# Allegro board DPU_PoE_A1_Sep27.brd (continued)
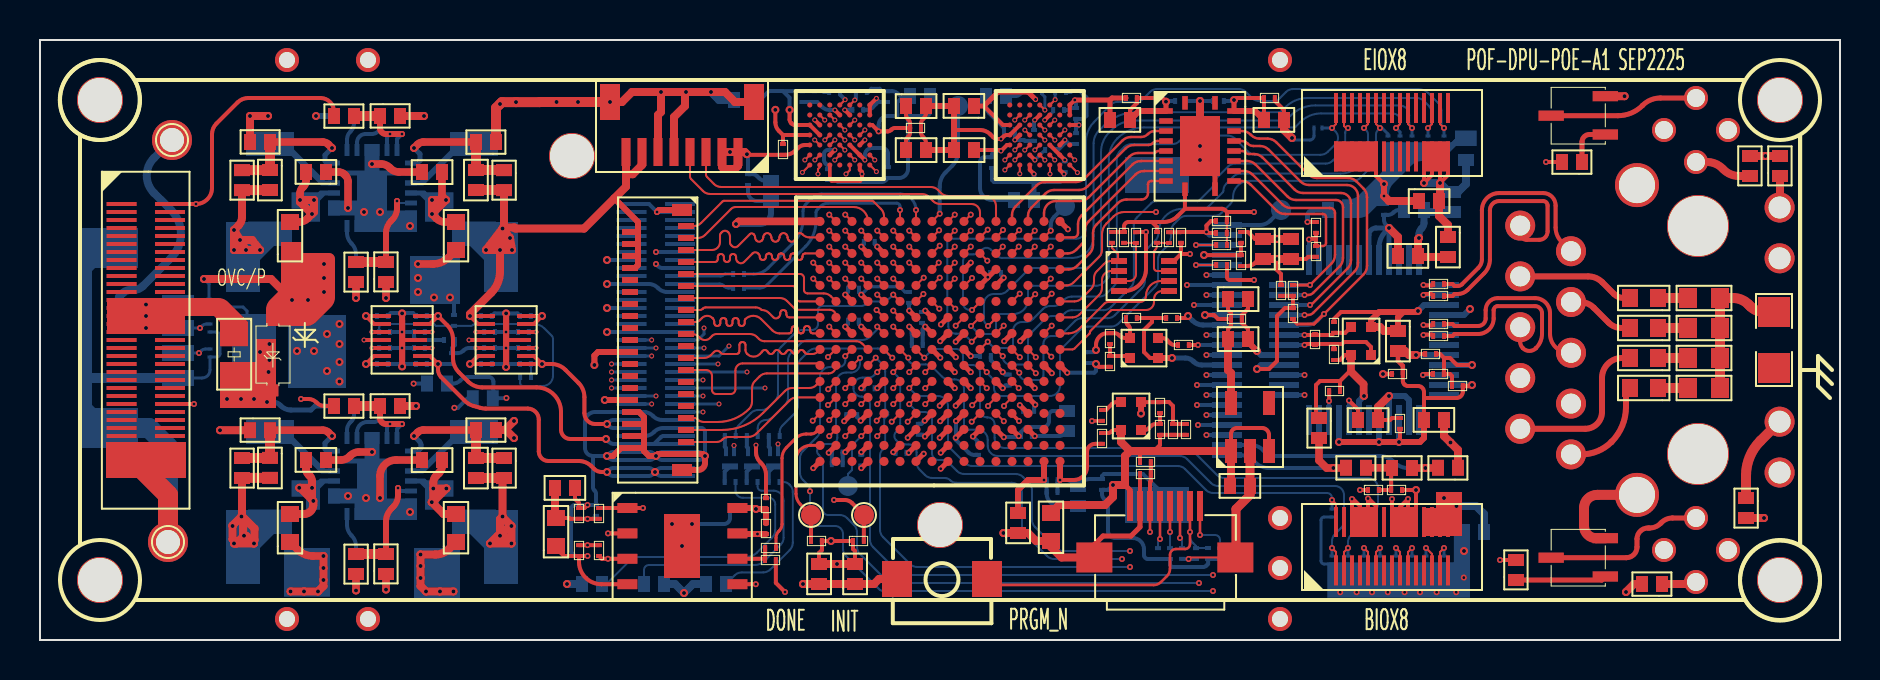
[diagram p0: board, top side]
## Routing (per net, layer and track width the routed paths; a pad name or vN(x,y) marks a point on that pad's centre or on a via; arc(x,y) is an arc through that point) (continued)
EIO-8: length 32.8
  TOP w0.102: 68.4,26.7 J2.20 68.4,25.8 v1(68.6,25.6) ; v1(47.4,15.7) 47.8,16.1 U7.K5
  BOTTOM w0.102: v1(47.4,15.7) 47.29,15.81 arc(47.22,15.91) 47.2,16.03 47.2,16.81 arc(47.34,17.16) 47.69,17.3 47.99,17.3 arc(48.18,17.34) 48.35,17.45 49.35,18.45 arc(49.52,18.56) 49.71,18.6 52.17,18.6 arc(52.36,18.64) 52.53,18.75 53.02,19.24 arc(53.04,19.27) 53.05,19.31 53.05,24.39 arc(53.16,24.93) 53.46,25.38 53.59,25.51 arc(54.1,25.85) 54.71,25.97 62.24,25.97 arc(62.28,25.98) 62.31,26 62.52,26.21 arc(63.1,26.6) 63.77,26.73 67.98,26.73 arc(68.32,26.59) 68.46,26.25 68.46,25.83 arc(68.48,25.75) 68.52,25.68 v1(68.6,25.6)
  BOTTOM w0.15: D4.2 v1(68.6,25.6)
EN_ME1: length 4.7
  TOP w0.3: v1(18.1,10.8) v1(17.5,10.8) 17.3,10.8 arc(17.09,10.89) 17,11.1 R35.1
  TOP w0.5: R36.1 R35.1
  BOTTOM w0.2: v1(17.5,10.8) 17.35,10.65 U14.5 ; v1(18.1,10.8) 17.85,10.55 U14.6
EN_ME2: length 4.9
  TOP w0.3: R1.1 17,25.6 arc(17.09,25.39) 17.3,25.3 v1(17.5,25.3) v1(18.1,25.3)
  TOP w0.5: R1.1 R2.1
  BOTTOM w0.2: U11.6 17.85,25.05 v1(18.1,25.3) ; U11.5 17.35,25.15 v1(17.5,25.3)
ETH_CSN: length 18.8
  TOP w0.12: U3.17 60.1,25.45 arc(60.33,25.4) 60.53,25.27 60.56,25.24 arc(60.75,25.11) 60.98,25.07 61.38,25.07 arc(61.61,25.02) 61.81,24.89 63.42,23.28 arc(63.62,23.15) 63.85,23.1 65.4,23.1 arc(65.63,23.05) 65.83,22.92 66.17,22.58 arc(66.3,22.38) 66.35,22.15 66.35,18.7 arc(66.3,18.47) 66.17,18.27 v1(64.2,16.3)
  TOP w0.15: v1(64.2,16.3) 63.7,15.8 62.85,15.8 62.65,16 R24.1
  BOTTOM w0.2: v1(64.2,16.3) 63.87,15.97 arc(63.63,15.81) 63.34,15.75 U12.32
ETH_INT: length 12.1
  TOP w0.12: v1(63.5,17.75) 64.57,18.82 arc(64.7,19.02) 64.75,19.25 64.75,21.35 arc(64.68,21.53) 64.5,21.6 62.55,21.6 arc(62.32,21.65) 62.12,21.78 60.63,23.27 arc(60.43,23.4) 60.2,23.45 U3.13
  TOP w0.15: R21.1 v1(63.5,17.75)
  BOTTOM w0.2: U12.36 v1(63.5,17.75)
ETH_MISO: length 14.2
  TOP w0.12: U3.15 60.11,24.45 arc(60.19,24.43) 60.27,24.38 60.28,24.37 arc(60.36,24.32) 60.44,24.3 60.7,24.3 arc(60.93,24.25) 61.13,24.12 62.72,22.53 arc(62.92,22.4) 63.15,22.35 65.05,22.35 arc(65.4,22.2) 65.55,21.85 65.55,19 arc(65.5,18.77) 65.37,18.57 63.55,16.75 v1(63.5,16.75)
  BOTTOM w0.2: U12.34 v1(63.5,16.75)
ETH_MOSI: length 12.8
  TOP w0.12: U3.14 60.35,23.95 arc(60.58,23.9) 60.78,23.77 62.37,22.18 arc(62.57,22.05) 62.8,22 64.8,22 arc(65.05,21.9) 65.15,21.65 65.15,19.1 arc(65.1,18.87) 64.97,18.67 63.66,17.36 arc(63.54,17.28) 63.4,17.25 v1(63.23,17.25)
  BOTTOM w0.2: U12.35 v1(63.23,17.25)
ETH_RST: length 9.2
  TOP w0.12: U3.12 60.1,22.95 arc(60.33,22.9) 60.53,22.77 61.82,21.48 arc(62.02,21.35) 62.25,21.3 64.15,21.3 arc(64.26,21.26) 64.3,21.15 64.3,19.85 arc(64.26,19.74) 64.15,19.7 C25.1
  TOP w0.2: 63.8,20.05 C25.1 ; 63.8,20.05 63.47,20.05 v1(63.45,20.03) ; 63.8,20.05 R10.2
  BOTTOM w0.2: U12.37 v1(63.45,20.03)
ETH_SCLK: length 15.6
  TOP w0.12: U3.16 60.09,24.95 arc(60.24,24.92) 60.37,24.83 60.38,24.82 arc(60.51,24.73) 60.66,24.7 61,24.7 arc(61.23,24.65) 61.43,24.52 63.02,22.93 arc(63.22,22.8) 63.45,22.75 65.35,22.75 arc(65.74,22.59) 65.9,22.2 65.9,18.85 arc(65.85,18.62) 65.72,18.42 63.66,16.36 arc(63.54,16.28) 63.4,16.25 v1(63.23,16.25)
  BOTTOM w0.2: U12.33 v1(63.23,16.25)
FP_LED0: length 17.1
  TOP w0.102: J1.3 33.3,23.27 arc(33.31,23.21) 33.35,23.15 33.7,22.8 arc(33.87,22.69) 34.06,22.65 44.54,22.65 arc(44.73,22.61) 44.9,22.5 45.05,22.35 arc(45.22,22.24) 45.41,22.2 47.29,22.2 arc(47.65,22.05) 47.8,21.69 U7.T5
FP_LED1: length 17
  TOP w0.102: J1.4 32.5,23.17 arc(32.51,23.11) 32.55,23.05 33.15,22.45 arc(33.32,22.34) 33.51,22.3 44.09,22.3 arc(44.28,22.26) 44.45,22.15 44.65,21.95 arc(44.82,21.84) 45.01,21.8 46.58,21.8 arc(46.88,21.68) 47,21.38 U7.T6
H1_CKN: length 14.6
  TOP w0.102: U2.B2 v2(48.74,26) ; U7.T8 v1(45.74,21.27)
  SIG-6 w0.102: v2(48.74,26) 48.69,25.95 48.32,25.95 arc(48.17,26.01) 48.11,26.16 48.11,26.53 arc(48.17,26.68) 48.32,26.74 48.78,26.74 arc(49.13,26.89) 49.28,27.24 49.28,27.27 arc(49.12,27.66) 48.73,27.82 45.76,27.82 arc(45.36,27.66) 45.2,27.26 45.2,22.64 arc(45.24,22.44) 45.35,22.28 45.89,21.74 arc(45.93,21.67) 45.95,21.59 45.95,21.57 arc(45.93,21.49) 45.89,21.42 v1(45.74,21.27)
H1_CKP: length 14.9
  TOP w0.102: v2(49.24,26) U2.B3 ; v1(46.54,21.27) U7.T7
  SIG-6 w0.102: v1(46.54,21.27) 46.53,21.27 arc(46.33,21.35) 46.25,21.55 46.25,21.59 arc(46.21,21.78) 46.1,21.95 45.56,22.49 arc(45.52,22.56) 45.5,22.64 45.5,27.26 arc(45.58,27.44) 45.76,27.52 48.73,27.52 arc(48.9,27.45) 48.98,27.27 48.98,27.24 arc(48.92,27.1) 48.78,27.04 48.32,27.04 arc(47.96,26.89) 47.81,26.53 47.81,26.16 arc(47.96,25.8) 48.32,25.65 48.69,25.65 arc(48.84,25.68) 48.96,25.76 49.2,26 v2(49.24,26)
H1_CS: length 19.4
  TOP w0.102: v1(48.14,19.67) U7.P5 ; v2(50.24,26.5) U2.A4
  SIG-6 w0.102: v1(48.14,19.67) 48.36,19.45 arc(48.52,19.34) 48.71,19.3 50.76,19.3 arc(50.88,19.35) 50.94,19.48 50.94,19.97 arc(50.95,20) 50.97,20.04 arc(51.03,20.08) 51.09,20.09 51.45,20.09 arc(51.64,20.13) 51.81,20.24 51.9,20.33 arc(52.07,20.44) 52.26,20.48 53.29,20.48 arc(53.48,20.52) 53.65,20.63 55.46,22.44 arc(55.57,22.61) 55.61,22.8 55.61,24.9 arc(55.57,25.09) 55.46,25.26 54.47,26.25 arc(54.3,26.36) 54.11,26.4 50.4,26.4 arc(50.34,26.41) 50.3,26.44 v2(50.24,26.5)
  BOTTOM w0.15: R62.1 50.1,27.3 50.24,27.16 v2(50.24,26.5)
H1_D0: length 15.1
  TOP w0.102: v2(50.24,25) U2.D4 ; v1(46.54,19.67) U7.P7
  SIG-6 w0.102: v1(46.54,19.67) 46.68,19.53 arc(46.75,19.48) 46.84,19.46 47.56,19.46 arc(47.63,19.49) 47.66,19.56 47.66,19.68 arc(47.66,19.72) 47.63,19.75 arc(47.6,19.78) 47.56,19.79 47.14,19.79 arc(47.07,19.81) 47.04,19.89 47.04,19.99 arc(47.08,20.08) 47.17,20.12 48.45,20.12 arc(48.56,20.17) 48.61,20.28 48.61,21.29 arc(48.62,21.33) 48.64,21.36 49.3,22.02 arc(49.37,22.07) 49.44,22.08 52.11,22.08 arc(52.47,22.23) 52.62,22.59 arc(52.61,22.65) 52.58,22.7 arc(52.5,22.88) 52.58,23.06 52.71,23.19 arc(52.79,23.38) 52.71,23.57 52.1,24.18 arc(51.9,24.31) 51.67,24.36 50.31,24.36 arc(50.27,24.37) 50.24,24.39 50.2,24.43 arc(50.17,24.5) 50.2,24.57 50.32,24.69 arc(50.37,24.81) 50.32,24.92 v2(50.24,25)
H1_D1: length 15
  TOP w0.102: v2(49.24,25.5) U2.D3 ; v1(45.74,20.47) U7.R8
  SIG-6 w0.102: v2(49.24,25.5) 49.24,25.49 arc(49.21,25.41) 49.13,25.38 47.82,25.38 arc(47.6,25.47) 47.51,25.69 47.51,26.98 arc(47.46,27.11) 47.33,27.16 45.99,27.16 arc(45.91,27.13) 45.88,27.05 45.88,26.9 arc(45.91,26.83) 45.98,26.8 46.53,26.8 arc(46.6,26.77) 46.63,26.7 46.63,26.56 arc(46.6,26.49) 46.53,26.46 45.95,26.46 arc(45.88,26.43) 45.85,26.35 45.85,23.26 arc(45.89,23.07) 46,22.9 46.75,22.15 arc(46.86,21.98) 46.9,21.79 46.9,21.1 arc(46.83,20.92) 46.65,20.85 46.33,20.85 arc(46.14,20.81) 45.97,20.7 v1(45.74,20.47)
H1_D2: length 15.1
  TOP w0.102: v1(49.74,19.67) U7.P3 ; v2(50.74,26) U2.C5
  SIG-6 w0.102: v1(49.74,19.67) 49.95,19.88 arc(50.06,20.05) 50.1,20.24 50.1,20.75 arc(50.15,20.88) 50.28,20.93 53.12,20.93 arc(53.31,20.97) 53.48,21.08 55.03,22.63 arc(55.14,22.8) 55.18,22.99 55.18,24.79 arc(55.14,24.98) 55.03,25.15 54.23,25.95 arc(54.06,26.06) 53.87,26.1 50.9,26.1 arc(50.84,26.09) 50.8,26.06 v2(50.74,26)
H1_D3: length 15
  TOP w0.102: v2(50.74,25) U2.D5 ; v1(48.96,20.49) U7.R4
  SIG-6 w0.102: v2(50.74,25) 50.74,24.75 arc(50.77,24.68) 50.84,24.65 52.16,24.65 arc(52.21,24.64) 52.25,24.61 52.26,24.6 arc(52.29,24.56) 52.3,24.51 52.3,24.41 arc(52.35,24.3) 52.46,24.25 52.63,24.25 arc(52.7,24.28) 52.73,24.35 52.73,24.61 arc(52.76,24.69) 52.84,24.72 53.12,24.72 arc(53.24,24.67) 53.29,24.55 arc(53.26,24.42) 53.19,24.31 52.96,24.08 arc(52.91,23.97) 52.96,23.86 53.03,23.79 arc(53.1,23.76) 53.17,23.79 53.35,23.97 53.35,23.99 arc(53.39,24.07) 53.47,24.11 53.55,24.11 53.86,23.8 arc(53.89,23.76) 53.9,23.71 53.9,23.69 arc(53.89,23.64) 53.86,23.59 53.85,23.58 arc(53.8,23.55) 53.75,23.54 53.4,23.54 arc(53.33,23.51) 53.3,23.44 53.3,23.29 arc(53.33,23.22) 53.4,23.19 53.58,23.19 arc(53.65,23.16) 53.68,23.09 53.68,22.95 arc(53.61,22.8) 53.46,22.73 53.44,22.73 arc(53.33,22.76) 53.23,22.82 53.13,22.92 arc(53.05,22.95) 52.98,22.92 52.88,22.82 arc(52.85,22.75) 52.88,22.68 53.06,22.5 arc(53.09,22.43) 53.06,22.36 52.67,21.97 arc(52.5,21.86) 52.31,21.82 49.78,21.82 arc(49.59,21.78) 49.42,21.67 49.11,21.36 arc(49,21.19) 48.96,21 v1(48.96,20.49)
H1_D4: length 15.1
  TOP w0.102: v2(51.24,25.5) U2.D6 ; v1(48.94,19.67) U7.P4
  SIG-6 w0.102: v1(48.94,19.67) 49.2,19.93 arc(49.31,20.1) 49.35,20.29 49.35,21.1 arc(49.48,21.4) 49.78,21.53 52.55,21.53 arc(52.74,21.57) 52.91,21.68 54.11,22.88 arc(54.26,23.1) 54.31,23.36 54.31,23.96 arc(54.27,24.07) 54.16,24.12 54.04,24.12 arc(53.91,24.17) 53.85,24.31 53.85,24.36 arc(53.88,24.43) 53.95,24.46 54.22,24.46 arc(54.29,24.49) 54.32,24.56 54.32,24.71 arc(54.29,24.78) 54.22,24.81 53.99,24.81 arc(53.92,24.84) 53.89,24.91 53.89,25.08 arc(53.87,25.19) 53.8,25.28 53.79,25.3 arc(53.71,25.33) 53.62,25.3 53.6,25.28 arc(53.56,25.22) 53.55,25.16 53.55,25.13 arc(53.54,25.07) 53.5,25.01 53.45,24.96 arc(53.36,24.92) 53.27,24.96 53.26,24.97 arc(53.24,25.01) 53.23,25.05 53.23,25.35 arc(53.2,25.42) 53.13,25.45 53.06,25.45 arc(53.01,25.44) 52.98,25.42 52.71,25.15 arc(52.54,25.04) 52.35,25 51.96,25 arc(51.77,25.04) 51.6,25.15 51.25,25.5 v2(51.24,25.5)
H1_D5: length 15.1
  TOP w0.102: v1(48.15,20.5) 48.15,20.48 U7.R5 ; v2(49.74,24.5) U2.E4
  SIG-6 w0.102: v1(48.15,20.5) 48.14,20.51 48.14,20.8 arc(48.12,20.88) 48.07,20.96 48.06,20.97 arc(48.01,21.04) 47.99,21.13 47.99,21.18 arc(48.02,21.25) 48.09,21.28 48.15,21.28 arc(48.23,21.31) 48.26,21.39 48.26,21.47 arc(48.25,21.52) 48.22,21.56 48.17,21.61 48.08,21.61 47.98,21.71 arc(47.95,21.79) 47.98,21.86 47.98,21.87 arc(48.06,21.91) 48.14,21.93 48.32,21.93 arc(48.51,21.97) 48.68,22.08 49.05,22.45 arc(49.27,22.54) 49.48,22.45 arc(49.62,22.39) 49.76,22.45 49.82,22.51 arc(49.91,22.57) 50.02,22.59 50.05,22.59 arc(50.15,22.61) 50.24,22.67 50.25,22.68 arc(50.34,22.74) 50.44,22.76 50.61,22.76 arc(50.74,22.7) 50.8,22.57 50.8,22.55 50.9,22.45 arc(50.97,22.42) 51.05,22.45 51.24,22.65 arc(51.28,22.67) 51.32,22.68 51.39,22.68 51.46,22.61 51.46,22.53 arc(51.49,22.46) 51.56,22.43 51.71,22.43 arc(51.78,22.46) 51.81,22.53 51.81,22.76 arc(51.84,22.83) 51.91,22.86 52.02,22.86 arc(52.1,22.88) 52.17,22.92 52.21,22.96 arc(52.34,23.28) 52.21,23.6 52.16,23.65 arc(52.12,23.68) 52.07,23.69 51.63,23.69 arc(51.55,23.65) 51.51,23.57 51.51,23.13 arc(51.48,23.05) 51.41,23.02 50.91,23.02 arc(50.84,23.05) 50.81,23.13 50.81,23.41 arc(50.79,23.54) 50.72,23.64 50.71,23.65 arc(50.46,23.75) 50.22,23.65 50.16,23.59 arc(50.13,23.55) 50.12,23.49 50.12,23.02 arc(50.09,22.95) 50.02,22.92 49.47,22.92 arc(49.37,22.96) 49.33,23.06 49.33,23.71 49.4,23.78 49.4,23.98 arc(49.43,24.14) 49.52,24.27 49.74,24.49 v2(49.74,24.5)
H1_D6: length 15.1
  TOP w0.102: v1(47.38,20.52) U7.R6 ; v2(49.24,24.5) U2.E3
  SIG-6 w0.102: v1(47.38,20.52) 47.52,20.65 arc(47.62,20.79) 47.65,20.96 47.65,22.12 arc(47.61,22.31) 47.5,22.48 46.65,23.33 arc(46.54,23.5) 46.5,23.69 46.5,24.35 arc(46.55,24.46) 46.66,24.51 47.49,24.51 arc(47.56,24.48) 47.59,24.41 47.59,24.29 arc(47.56,24.22) 47.49,24.19 46.93,24.19 arc(46.86,24.16) 46.83,24.09 46.83,23.95 arc(46.86,23.88) 46.93,23.85 47.66,23.85 arc(47.73,23.82) 47.76,23.75 47.76,23.65 arc(47.73,23.57) 47.66,23.55 47.28,23.55 arc(47.23,23.54) 47.2,23.51 47.18,23.5 arc(47.16,23.46) 47.15,23.42 47.15,23.4 arc(47.16,23.35) 47.18,23.32 47.65,22.85 arc(47.75,22.81) 47.84,22.85 47.9,22.9 arc(47.93,22.95) 47.94,23.01 47.94,23.03 arc(47.95,23.09) 47.98,23.13 arc(48.13,23.19) 48.27,23.13 48.34,23.06 arc(48.4,22.92) 48.34,22.78 48.32,22.75 arc(48.27,22.72) 48.21,22.71 arc(48.05,22.65) 47.99,22.49 47.99,22.45 arc(48.03,22.35) 48.13,22.31 48.31,22.31 arc(48.58,22.42) 48.69,22.69 48.69,23.28 arc(48.73,23.47) 48.84,23.64 48.95,23.75 arc(49.06,23.92) 49.1,24.11 49.1,24.27 arc(49.12,24.35) 49.16,24.42 v2(49.24,24.5)
H1_D7: length 15
  TOP w0.102: v2(48.74,24.5) U2.E2 ; v1(46.54,20.47) U7.R7
  SIG-6 w0.102: v1(46.54,20.47) 46.64,20.47 arc(46.71,20.48) 46.77,20.52 47.15,20.9 arc(47.26,21.07) 47.3,21.26 47.3,22.04 arc(47.26,22.23) 47.15,22.4 46.3,23.25 arc(46.19,23.42) 46.15,23.61 46.15,26.02 arc(46.19,26.11) 46.28,26.15 46.79,26.15 arc(46.86,26.18) 46.89,26.25 46.89,26.42 arc(46.92,26.49) 46.99,26.52 47.14,26.52 arc(47.21,26.49) 47.24,26.42 47.24,25.93 arc(47.21,25.85) 47.13,25.82 46.53,25.82 arc(46.45,25.79) 46.42,25.71 46.42,25.52 arc(46.45,25.45) 46.52,25.42 47.2,25.42 arc(47.28,25.39) 47.31,25.3 47.31,25.2 arc(47.29,25.12) 47.21,25.09 46.57,25.09 arc(46.53,25.09) 46.49,25.06 46.48,25.05 arc(46.46,25.01) 46.45,24.98 46.45,24.91 arc(46.48,24.84) 46.55,24.81 47.63,24.81 47.69,24.75 48.49,24.75 v2(48.74,24.5)
H1_D8: length 15.1
  TOP w0.102: v1(44.17,17.3) U7.L10 ; v2(50.74,24) U2.F5
  SIG-3 w0.102: v1(44.17,17.3) 44.17,17.36 arc(44.14,17.43) 44.07,17.46 43.83,17.46 arc(43.76,17.43) 43.73,17.36 43.73,17.01 arc(43.76,16.94) 43.83,16.91 44.54,16.91 arc(44.59,16.92) 44.62,16.94 44.64,16.96 arc(44.67,16.98) 44.72,16.99 45.22,16.99 arc(45.41,17.03) 45.58,17.14 45.68,17.24 arc(45.83,17.34) 46.02,17.38 48.2,17.38 arc(48.48,17.44) 48.72,17.6 49.67,18.55 arc(49.77,18.79) 49.67,19.03 49.48,19.22 arc(49.37,19.39) 49.33,19.58 49.33,20.58 arc(49.37,20.77) 49.48,20.94 49.99,21.45 arc(50.07,21.5) 50.16,21.52 50.19,21.52 arc(50.28,21.54) 50.36,21.59 51.16,22.39 arc(51.23,22.56) 51.16,22.74 50.99,22.91 arc(50.88,23.08) 50.84,23.27 50.84,23.55 arc(50.83,23.61) 50.8,23.65 50.78,23.67 arc(50.75,23.72) 50.74,23.77 v2(50.74,24)
H1_D9: length 15
  TOP w0.102: v2(48.24,24) U2.F1 ; v1(44.95,20.48) U7.R9
  SIG-3 w0.102: v1(44.95,20.48) 44.75,20.69 arc(44.64,20.86) 44.6,21.05 44.6,26.51 arc(44.68,26.71) 44.88,26.79 45.34,26.79 arc(45.41,26.82) 45.44,26.89 45.44,26.94 arc(45.47,27.01) 45.54,27.04 45.75,27.04 arc(45.82,27.01) 45.85,26.94 45.85,26.89 arc(45.88,26.82) 45.95,26.79 46.15,26.79 arc(46.23,26.82) 46.26,26.89 46.26,26.94 arc(46.29,27.01) 46.36,27.04 46.56,27.04 arc(46.63,27.01) 46.66,26.94 46.66,26.89 arc(46.69,26.82) 46.76,26.79 47.35,26.79 arc(47.49,26.73) 47.55,26.59 47.55,26.11 arc(47.58,26.04) 47.65,26.01 48.05,26.01 arc(48.12,25.98) 48.15,25.91 48.15,25.7 arc(48.12,25.63) 48.05,25.6 47.65,25.6 arc(47.58,25.57) 47.55,25.5 47.55,24.33 arc(47.65,24.1) 47.88,24 v2(48.24,24)
H1_D10: length 15.1
  TOP w0.102: v2(51.74,24) U2.F7 ; v1(45.77,16.56) U7.L8
  SIG-3 w0.102: v2(51.74,24) 51.74,23.9 51.62,23.78 arc(51.55,23.67) 51.52,23.54 51.52,21.84 arc(51.49,21.77) 51.42,21.74 51.09,21.74 arc(50.93,21.67) 50.86,21.51 50.86,21.18 arc(50.81,21.05) 50.68,21 50.24,21 arc(50.16,20.97) 50.13,20.89 50.13,20.5 arc(50.16,20.34) 50.25,20.21 50.3,20.16 arc(50.34,20.07) 50.3,19.99 50.25,19.94 arc(50.16,19.81) 50.13,19.65 50.13,19.31 arc(50.16,19.24) 50.23,19.21 50.51,19.21 arc(50.58,19.18) 50.61,19.11 50.61,18.91 arc(50.58,18.84) 50.51,18.81 50.23,18.81 arc(50.16,18.78) 50.13,18.71 50.13,18.5 arc(50.12,18.44) 50.08,18.39 50.07,18.38 arc(50.04,18.33) 50.02,18.27 50.02,17.99 arc(49.97,17.87) 49.84,17.81 49.51,17.81 arc(49.42,17.78) 49.38,17.69 49.38,17.03 arc(49.31,16.87) 49.15,16.8 arc(48.86,16.86) 48.61,17.03 48.59,17.04 arc(48.46,17.1) 48.33,17.04 48.3,17.01 arc(48.27,16.97) 48.26,16.91 48.26,16.89 arc(48.25,16.83) 48.22,16.79 48.19,16.76 arc(48.06,16.7) 47.92,16.76 47.89,16.79 arc(47.86,16.83) 47.85,16.89 47.85,16.91 arc(47.84,16.97) 47.81,17.01 47.78,17.04 arc(47.65,17.1) 47.52,17.04 47.49,17.01 arc(47.46,16.97) 47.45,16.91 47.45,16.89 arc(47.43,16.83) 47.4,16.79 47.38,16.76 arc(47.24,16.7) 47.11,16.76 47.1,16.77 arc(46.96,16.87) 46.79,16.9 46.31,16.9 arc(46.12,16.86) 45.95,16.75 v1(45.77,16.56)
H1_D11: length 15
  TOP w0.102: v2(48.74,24) U2.F2 ; v1(45.74,19.67) U7.P8
  SIG-3 w0.102: v2(48.74,24) 48.74,23.54 arc(48.65,23.31) 48.42,23.22 47.71,23.22 arc(47.52,23.26) 47.35,23.37 47,23.72 arc(46.89,23.89) 46.85,24.08 46.85,25.29 arc(46.8,25.42) 46.67,25.47 45.49,25.47 arc(45.38,25.42) 45.33,25.31 45.33,25.08 arc(45.36,25.01) 45.43,24.98 46.4,24.98 arc(46.47,24.95) 46.5,24.88 46.5,24.55 arc(46.47,24.48) 46.4,24.45 45.56,24.45 arc(45.44,24.42) 45.34,24.35 45.33,24.34 arc(45.22,24.07) 45.33,23.79 45.57,23.55 arc(45.68,23.38) 45.72,23.19 45.72,22.24 arc(45.76,22.05) 45.87,21.88 45.96,21.79 arc(46.07,21.62) 46.11,21.43 46.11,20.25 arc(46.07,20.06) 45.96,19.89 v1(45.74,19.67)
H1_D12: length 15.1
  TOP w0.102: v1(44.98,18.12) U7.M9 ; U2.G5 50.5,23.74 v2(50.5,23.3)
  SIG-3 w0.102: v2(50.5,23.3) 50.5,23.08 arc(50.54,22.9) 50.64,22.74 50.74,22.64 arc(50.78,22.55) 50.74,22.47 50.5,22.23 arc(50.4,22.16) 50.29,22.14 50.26,22.14 arc(50.15,22.12) 50.05,22.05 49.98,21.98 arc(49.81,21.87) 49.62,21.83 48.67,21.83 arc(48.6,21.8) 48.57,21.73 48.57,21.46 arc(48.6,21.39) 48.67,21.36 49.04,21.36 arc(49.11,21.33) 49.14,21.26 49.14,21.02 arc(49.11,20.95) 49.04,20.92 48.67,20.92 arc(48.6,20.89) 48.57,20.82 48.57,19.21 arc(48.6,19.14) 48.67,19.11 49.03,19.11 arc(49.11,19.08) 49.13,19.01 49.13,18.8 arc(49.11,18.73) 49.03,18.7 48.67,18.7 arc(48.6,18.67) 48.57,18.6 48.57,17.99 arc(48.49,17.78) 48.28,17.7 45.74,17.7 arc(45.55,17.66) 45.38,17.55 45.18,17.35 arc(45.03,17.29) 44.88,17.35 44.75,17.48 arc(44.72,17.55) 44.75,17.62 44.79,17.66 arc(44.86,17.7) 44.94,17.72 44.94,17.72 arc(45.04,17.76) 45.09,17.87 45.09,17.95 arc(45.08,18.01) 45.04,18.06 v1(44.98,18.12)
H1_D13: length 15.1
  TOP w0.102: v1(44.98,19.71) U7.P9 ; v2(48.24,23.5) U2.G1
  SIG-3 w0.102: v1(44.98,19.71) 45.25,19.98 arc(45.36,20.15) 45.4,20.34 45.4,22.99 arc(45.36,23.18) 45.25,23.35 45.13,23.47 arc(45.02,23.64) 44.98,23.83 44.98,26.27 arc(45.02,26.35) 45.1,26.39 45.28,26.39 arc(45.36,26.35) 45.4,26.27 45.4,25.96 arc(45.43,25.89) 45.5,25.86 45.82,25.86 arc(45.89,25.89) 45.92,25.96 45.92,26.16 arc(45.95,26.29) 46.02,26.4 46.02,26.4 arc(46.13,26.45) 46.24,26.4 46.29,26.35 arc(46.32,26.31) 46.33,26.26 46.33,26.02 arc(46.34,25.96) 46.37,25.92 46.39,25.9 arc(46.43,25.87) 46.49,25.86 46.62,25.86 arc(46.69,25.89) 46.72,25.96 46.72,26.22 arc(46.75,26.29) 46.82,26.32 47.09,26.32 arc(47.16,26.29) 47.19,26.22 47.19,24.33 arc(47.23,24.14) 47.34,23.97 47.66,23.65 arc(47.82,23.54) 48.01,23.5 v2(48.24,23.5)
H1_D14: length 14.8
  TOP w0.102: v1(44.97,16.56) U7.L9 ; v2(51.87,23.37) U2.G7
  SIG-3 w0.102: v1(44.97,16.56) 45.28,16.25 arc(45.45,16.14) 45.64,16.1 46.73,16.1 arc(46.92,16.14) 47.09,16.25 47.19,16.35 arc(47.28,16.41) 47.38,16.43 49.88,16.43 arc(50.06,16.5) 50.13,16.68 50.13,17.58 arc(50.17,17.67) 50.26,17.71 50.81,17.71 arc(50.89,17.75) 50.93,17.83 50.93,20.67 arc(51,20.83) 51.16,20.9 51.72,20.9 arc(51.83,20.94) 51.87,21.05 v2(51.87,23.37)
H1_D15: length 15.1
  TOP w0.102: U7.N9 v1(44.94,18.87) ; v2(48.99,23.31) U2.G2
  SIG-3 w0.102: v1(44.94,18.87) 45.17,19.1 arc(45.34,19.21) 45.53,19.25 46.75,19.25 arc(46.86,19.3) 46.91,19.41 46.91,21.55 arc(46.92,21.61) 46.95,21.65 46.97,21.67 arc(47.01,21.7) 47.07,21.71 47.17,21.71 arc(47.27,21.75) 47.31,21.85 47.31,22.02 arc(47.28,22.09) 47.21,22.12 46.23,22.12 arc(46.12,22.16) 46.07,22.27 46.07,22.39 arc(46.08,22.43) 46.1,22.46 46.26,22.62 arc(46.33,22.65) 46.4,22.62 arc(46.51,22.57) 46.61,22.62 46.71,22.72 arc(46.75,22.82) 46.71,22.92 45.93,23.7 arc(45.9,23.77) 45.93,23.84 46.07,23.98 arc(46.15,24.01) 46.22,23.98 47.26,22.94 arc(47.35,22.8) 47.38,22.64 47.38,22.57 arc(47.42,22.48) 47.5,22.45 47.7,22.45 arc(47.77,22.48) 47.8,22.55 47.8,22.84 arc(47.83,22.91) 47.9,22.94 48.05,22.94 arc(48.12,22.91) 48.15,22.84 48.15,22.61 arc(48.18,22.54) 48.25,22.51 48.45,22.51 arc(48.52,22.54) 48.55,22.61 48.55,22.73 arc(48.56,22.77) 48.58,22.81 48.59,22.82 arc(48.63,22.84) 48.67,22.85 48.89,22.85 arc(48.96,22.88) 48.99,22.95 v2(48.99,23.31)
H1_RST: length 20
  TOP w0.102: v1(47.37,18.96) U7.P6 ; v2(50.76,27.02) U2.A5
  SIG-6 w0.102: v2(50.76,27.02) 50.93,26.84 arc(51.1,26.73) 51.29,26.69 54.38,26.69 arc(54.57,26.65) 54.74,26.54 55.85,25.43 arc(55.96,25.26) 56,25.07 56,22.7 arc(55.96,22.51) 55.85,22.34 53.73,20.22 arc(53.56,20.11) 53.37,20.07 52.71,20.07 arc(52.52,20.03) 52.35,19.92 51.54,19.11 arc(51.38,19) 51.18,18.96 v1(47.37,18.96)
  BOTTOM w0.15: R61.2 50.76,27.02 v2(50.76,27.02)
H1_RWDS0: length 14.9
  TOP w0.102: v1(49.74,20.47) U7.R3 ; v2(50.24,25.5) U2.C4
  SIG-6 w0.102: v2(50.24,25.5) 50.49,25.5 arc(50.68,25.54) 50.85,25.65 50.95,25.75 arc(51.2,25.85) 51.45,25.75 51.73,25.47 arc(52.04,25.34) 52.35,25.47 52.52,25.64 arc(52.69,25.75) 52.88,25.79 53.61,25.79 arc(53.92,25.73) 54.19,25.55 54.43,25.31 arc(54.59,25.07) 54.65,24.78 54.65,24.7 arc(54.66,24.66) 54.68,24.63 54.84,24.47 arc(54.91,24.31) 54.84,24.14 54.65,23.95 arc(54.61,23.84) 54.65,23.74 54.84,23.55 arc(54.88,23.44) 54.84,23.33 54.69,23.18 arc(54.66,23.14) 54.65,23.08 54.65,23.07 arc(54.62,22.9) 54.52,22.76 54.25,22.49 arc(54.21,22.44) 54.2,22.38 54.2,22.29 arc(54.14,22.14) 53.99,22.08 53.84,22.08 arc(53.69,22.02) 53.63,21.87 53.63,21.72 arc(53.56,21.57) 53.41,21.5 53.4,21.5 arc(53.28,21.48) 53.17,21.41 53.15,21.39 arc(52.98,21.28) 52.79,21.24 50.11,21.24 arc(49.85,21.13) 49.74,20.86 v1(49.74,20.47)
H1_RWDS1: length 15
  TOP w0.102: v2(50.24,24) U2.F4 ; v1(45.74,18.87) U7.N8
  SIG-3 w0.102: v1(45.74,18.87) 45.95,18.66 arc(46.11,18.55) 46.3,18.51 47.49,18.51 arc(47.66,18.54) 47.79,18.63 47.83,18.67 arc(47.94,18.74) 48.07,18.77 48.18,18.77 arc(48.24,18.78) 48.28,18.81 48.29,18.82 arc(48.34,18.93) 48.29,19.04 48.26,19.07 arc(48.18,19.12) 48.08,19.14 47.96,19.14 arc(47.8,19.2) 47.74,19.36 47.74,19.59 arc(47.71,19.66) 47.64,19.69 47.36,19.69 arc(47.29,19.72) 47.26,19.79 47.26,20.04 arc(47.29,20.11) 47.36,20.14 47.67,20.14 arc(47.74,20.17) 47.77,20.24 47.77,20.91 arc(47.74,20.98) 47.67,21.01 47.51,21.01 arc(47.44,21.04) 47.41,21.11 47.41,21.3 arc(47.44,21.37) 47.51,21.4 48.05,21.4 arc(48.12,21.43) 48.15,21.5 48.15,21.63 arc(48.14,21.67) 48.12,21.71 48.1,21.73 arc(48.06,21.75) 48.02,21.76 47.9,21.76 arc(47.84,21.77) 47.8,21.8 47.74,21.86 arc(47.71,21.93) 47.74,22 47.8,22.06 arc(47.93,22.15) 48.09,22.18 48.82,22.18 arc(48.98,22.21) 49.11,22.3 49.13,22.32 arc(49.26,22.41) 49.42,22.44 50.08,22.44 arc(50.14,22.45) 50.18,22.48 50.24,22.54 arc(50.27,22.61) 50.24,22.68 50.2,22.72 arc(50.09,22.8) 49.96,22.82 49.38,22.82 49.31,22.89 49.31,23.56 arc(49.34,23.63) 49.41,23.66 50.09,23.66 arc(50.15,23.67) 50.19,23.7 50.2,23.71 arc(50.23,23.76) 50.24,23.81 v2(50.24,24)
H2_CKN: length 11.8
  TOP w0.102: v1(39.46,21.27) U7.T15 ; U1.B2 38.99,26.25 v2(39.24,26)
  SIG-3 w0.102: v2(39.24,26) 39.24,25.81 arc(39.19,25.69) 39.07,25.63 38.1,25.63 arc(37.97,25.66) 37.87,25.73 37.83,25.77 arc(37.75,25.82) 37.65,25.84 arc(37.55,25.82) 37.47,25.77 37.43,25.73 arc(37.32,25.66) 37.2,25.63 36.43,25.63 arc(36.08,25.49) 35.93,25.13 35.93,24.87 arc(36.08,24.51) 36.43,24.36 38.92,24.36 arc(39.02,24.32) 39.06,24.21 39.06,23.85 39.23,23.69 39.23,22.44 arc(39.27,22.25) 39.38,22.08 39.54,21.92 arc(39.63,21.79) 39.66,21.64 39.66,21.59 arc(39.63,21.47) 39.57,21.37 v1(39.46,21.27)
H2_CKP: length 11.9
  TOP w0.102: U7.T14 v1(40.26,21.27) ; v2(39.74,26) 39.72,26.02 39.49,26.25 U1.B3
  SIG-3 w0.102: v1(40.26,21.27) 40.11,21.42 arc(40.03,21.55) 39.99,21.71 39.99,21.73 arc(39.96,21.88) 39.87,22.01 39.59,22.3 arc(39.55,22.36) 39.53,22.44 39.53,23.81 39.37,23.98 39.37,24.21 arc(39.23,24.53) 38.92,24.66 36.43,24.66 arc(36.29,24.72) 36.23,24.87 36.23,25.13 arc(36.29,25.27) 36.43,25.33 39.17,25.33 arc(39.37,25.37) 39.53,25.48 39.64,25.59 arc(39.71,25.7) 39.74,25.83 39.74,25.99 v2(39.74,26)
H2_CS: length 12.5
  TOP w0.102: v1(43.46,20.47) U7.R10 ; v2(40.26,27.02) U1.A4
  SIG-6 w0.102: v1(43.46,20.47) 44.19,20.47 arc(44.45,20.57) 44.55,20.83 44.55,25.79 arc(44.34,26.3) 43.83,26.51 40.97,26.51 arc(40.78,26.55) 40.61,26.66 v2(40.26,27.02)
  BOTTOM w0.2: v2(40.26,27.02) 40,27.27 R64.1
H2_D0: length 11.9
  TOP w0.102: v1(41.86,18.87) U7.N12 ; v2(40.24,25) U1.D4
  SIG-6 w0.102: v1(41.86,18.87) 41.86,18.87 41.92,18.87 arc(42.05,18.85) 42.18,18.82 arc(42.22,18.79) 42.25,18.77 arc(42.28,18.7) 42.25,18.62 42.09,18.46 arc(42.06,18.44) 42.02,18.43 41.77,18.43 arc(41.64,18.41) 41.53,18.34 arc(41.46,18.3) 41.38,18.34 41.34,18.38 arc(41.32,18.41) 41.31,18.45 arc(41.33,18.54) 41.38,18.61 41.42,18.65 arc(41.45,18.73) 41.42,18.8 arc(41.44,18.91) 41.5,18.99 41.54,19.04 arc(41.64,19.27) 41.54,19.5 41.54,19.51 arc(41.46,19.62) 41.44,19.75 41.44,19.79 arc(41.41,19.9) 41.35,20 41.33,20.02 arc(41.3,20.1) 41.33,20.19 41.36,20.22 arc(41.44,20.34) 41.47,20.47 41.47,20.68 arc(41.39,20.87) 41.19,20.95 41.11,20.95 arc(40.92,20.99) 40.75,21.1 arc(40.6,21.46) 40.75,21.81 41.98,23.04 arc(42.09,23.21) 42.13,23.4 42.13,24.2 arc(42.09,24.31) 41.98,24.36 41.09,24.36 arc(40.9,24.4) 40.73,24.51 v2(40.24,25)
H2_D1: length 11.8
  TOP w0.102: v1(41.06,18.87) U7.N13 ; v2(39.24,25) U1.D3
  SIG-6 w0.102: v1(41.06,18.87) 40.83,19.1 arc(40.58,19.27) 40.29,19.32 38.28,19.32 arc(38.18,19.34) 38.1,19.4 37.65,19.85 arc(37.35,20.3) 37.25,20.82 37.25,23.88 arc(37.39,24.61) 37.81,25.24 arc(37.91,25.3) 38.02,25.32 38.71,25.32 arc(38.9,25.29) 39.07,25.18 v2(39.24,25)
H2_D2: length 11.7
  TOP w0.102: v1(42.66,19.67) U7.P11 ; v2(40.74,26) U1.C5
  SIG-6 w0.102: v1(42.66,19.67) 42.95,19.96 arc(43.06,20.12) 43.1,20.31 43.1,20.8 arc(43.14,20.9) 43.25,20.95 43.99,20.95 arc(44.15,21.01) 44.22,21.18 44.22,25.49 arc(44.01,26) 43.5,26.21 41.09,26.21 arc(40.96,26.18) 40.85,26.11 v2(40.74,26)
H2_D3: length 11.9
  TOP w0.102: v2(40.74,25) U1.D5 ; v1(41.86,20.47) U7.R12
  SIG-6 w0.102: v2(40.74,25) 40.97,24.77 arc(41.13,24.66) 41.32,24.63 41.9,24.63 arc(42.07,24.66) 42.21,24.75 42.26,24.8 arc(42.36,24.87) 42.48,24.9 42.49,24.9 arc(42.61,24.85) 42.66,24.73 42.66,24.52 arc(42.68,24.45) 42.76,24.42 42.89,24.42 arc(42.94,24.41) 42.98,24.38 43,24.37 arc(43.02,24.32) 43.03,24.27 43.03,24.25 arc(43.02,24.21) 43,24.16 42.98,24.15 arc(42.95,24.13) 42.91,24.12 42.72,24.12 arc(42.59,24.1) 42.48,24.02 42.47,24.01 arc(42.43,23.92) 42.47,23.83 42.52,23.78 arc(42.56,23.75) 42.61,23.74 42.9,23.74 arc(42.95,23.73) 42.99,23.7 43.01,23.69 arc(43.04,23.65) 43.05,23.6 43.05,23.47 arc(43.02,23.4) 42.94,23.37 42.49,23.37 arc(42.41,23.33) 42.38,23.26 42.38,23.08 arc(42.41,23) 42.49,22.97 42.69,22.97 arc(42.81,22.95) 42.91,22.88 42.92,22.87 arc(42.96,22.78) 42.92,22.68 arc(42.83,22.62) 42.73,22.6 42.18,22.6 arc(41.83,22.46) 41.69,22.11 41.69,21.92 arc(41.66,21.84) 41.59,21.81 41.13,21.81 arc(41.06,21.78) 41.03,21.71 41.03,21.43 arc(41.06,21.36) 41.13,21.33 41.73,21.33 arc(41.82,21.29) 41.86,21.19 41.86,21.17 arc(41.85,21.1) 41.81,21.04 41.78,21.01 arc(41.75,20.97) 41.74,20.93 41.74,20.91 arc(41.75,20.86) 41.78,20.82 41.81,20.79 arc(41.85,20.74) 41.86,20.67 v1(41.86,20.47)